# Altium PCB HV_Module_6W.PCBDOC (part 1 of 4)
Units mil, origin at the board's own origin, x right, y up, seen from the top; angles counter-clockwise.
Board outline 5826.77 x 3385.83 mil, 4 copper layers (Top, L2, L3, Bot), stack 62.992 mil thick; 457 components, 280 nets, 1264 pads, 435 vias.
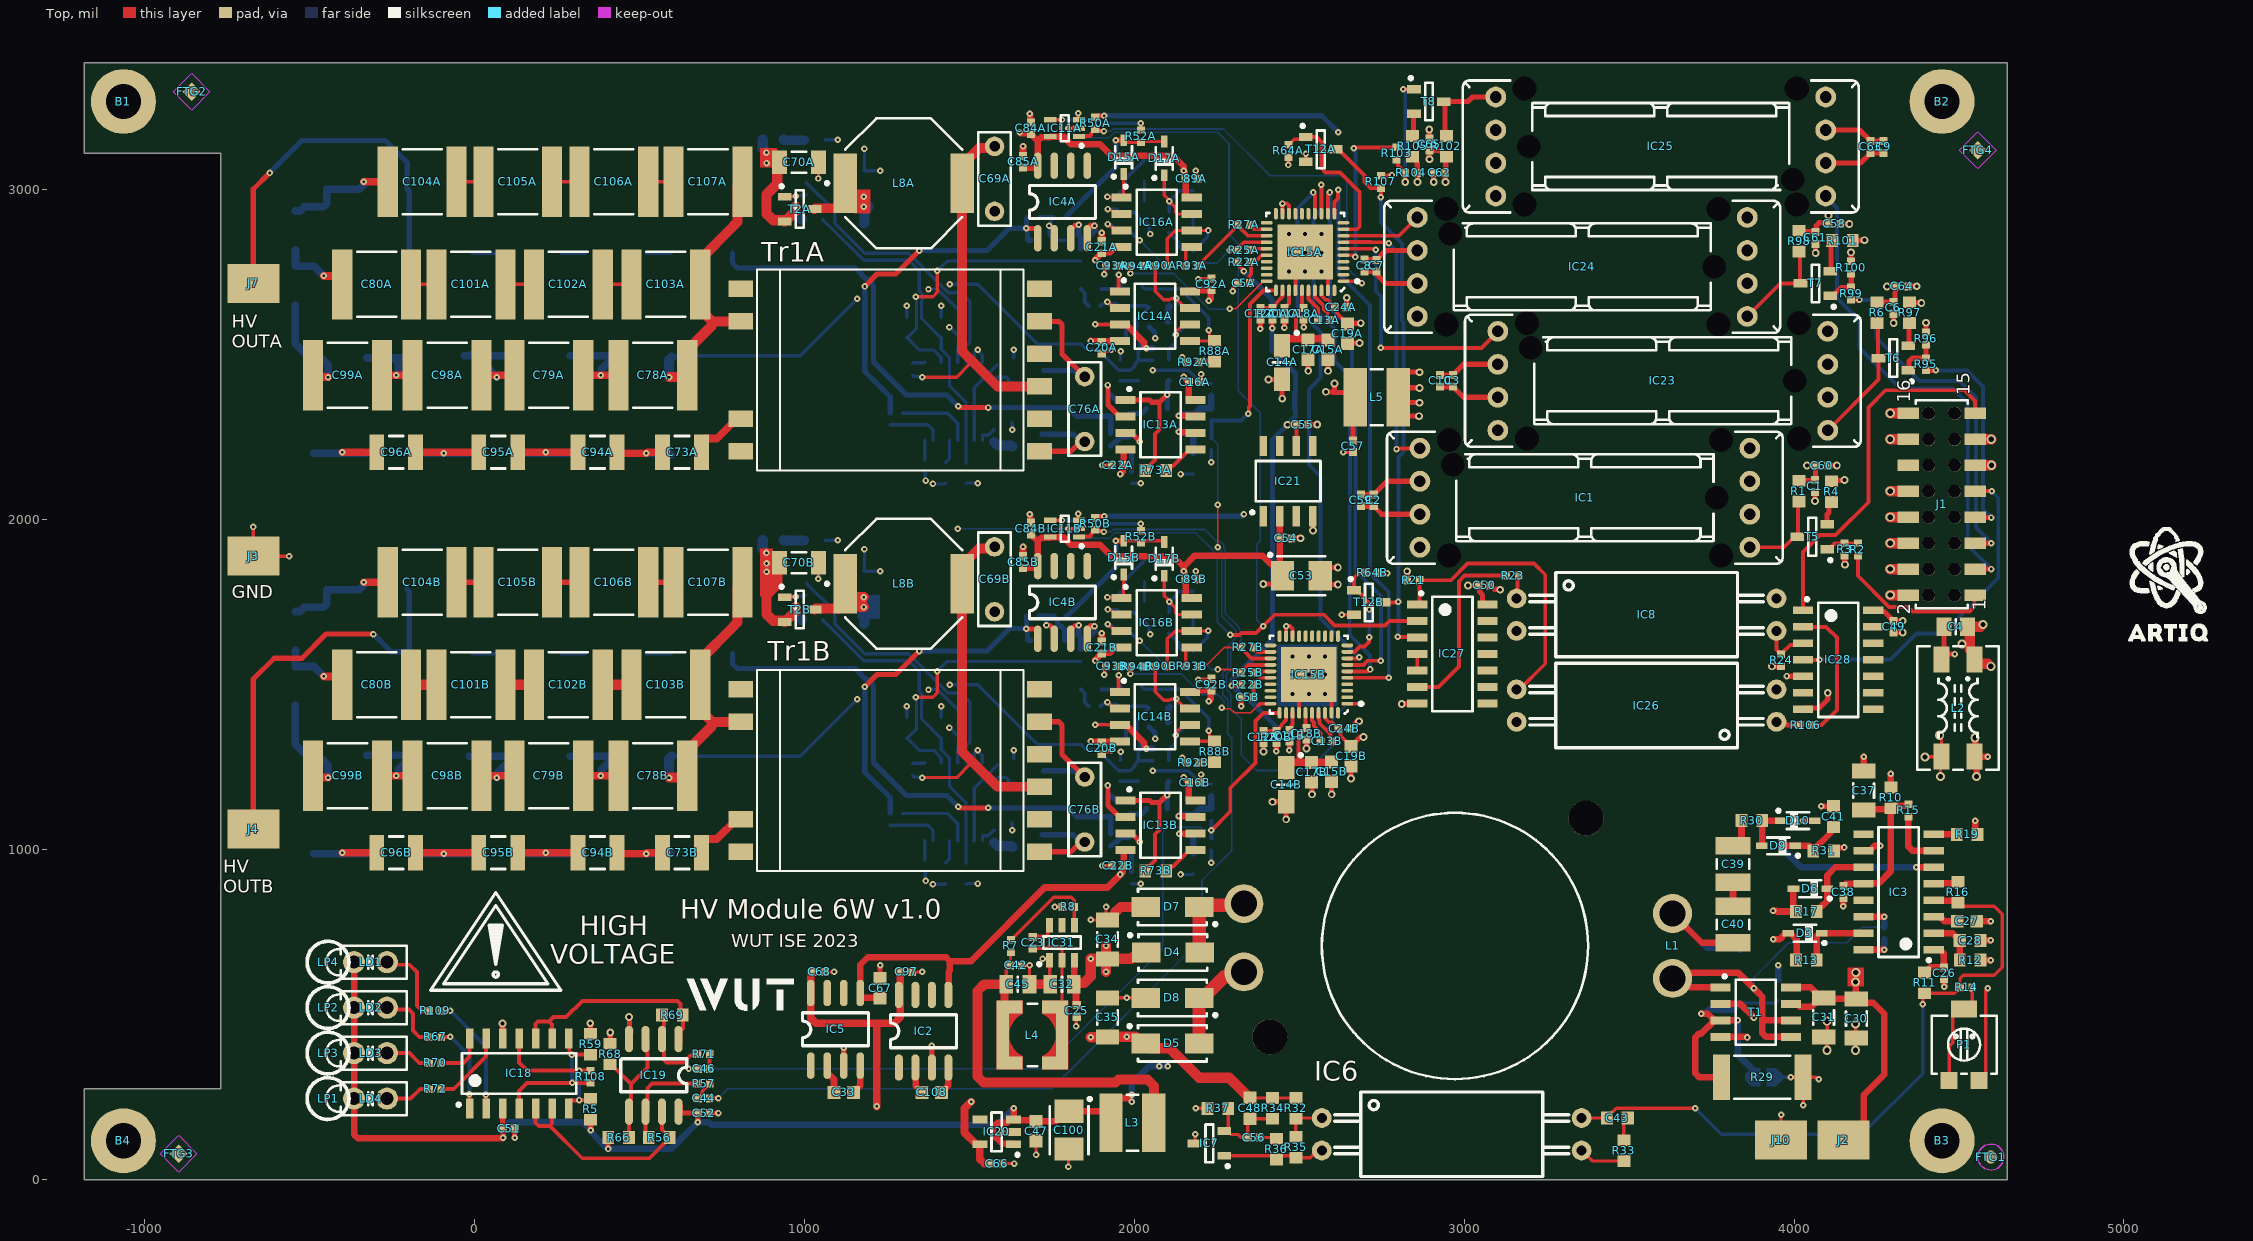
[diagram p0: Top view]
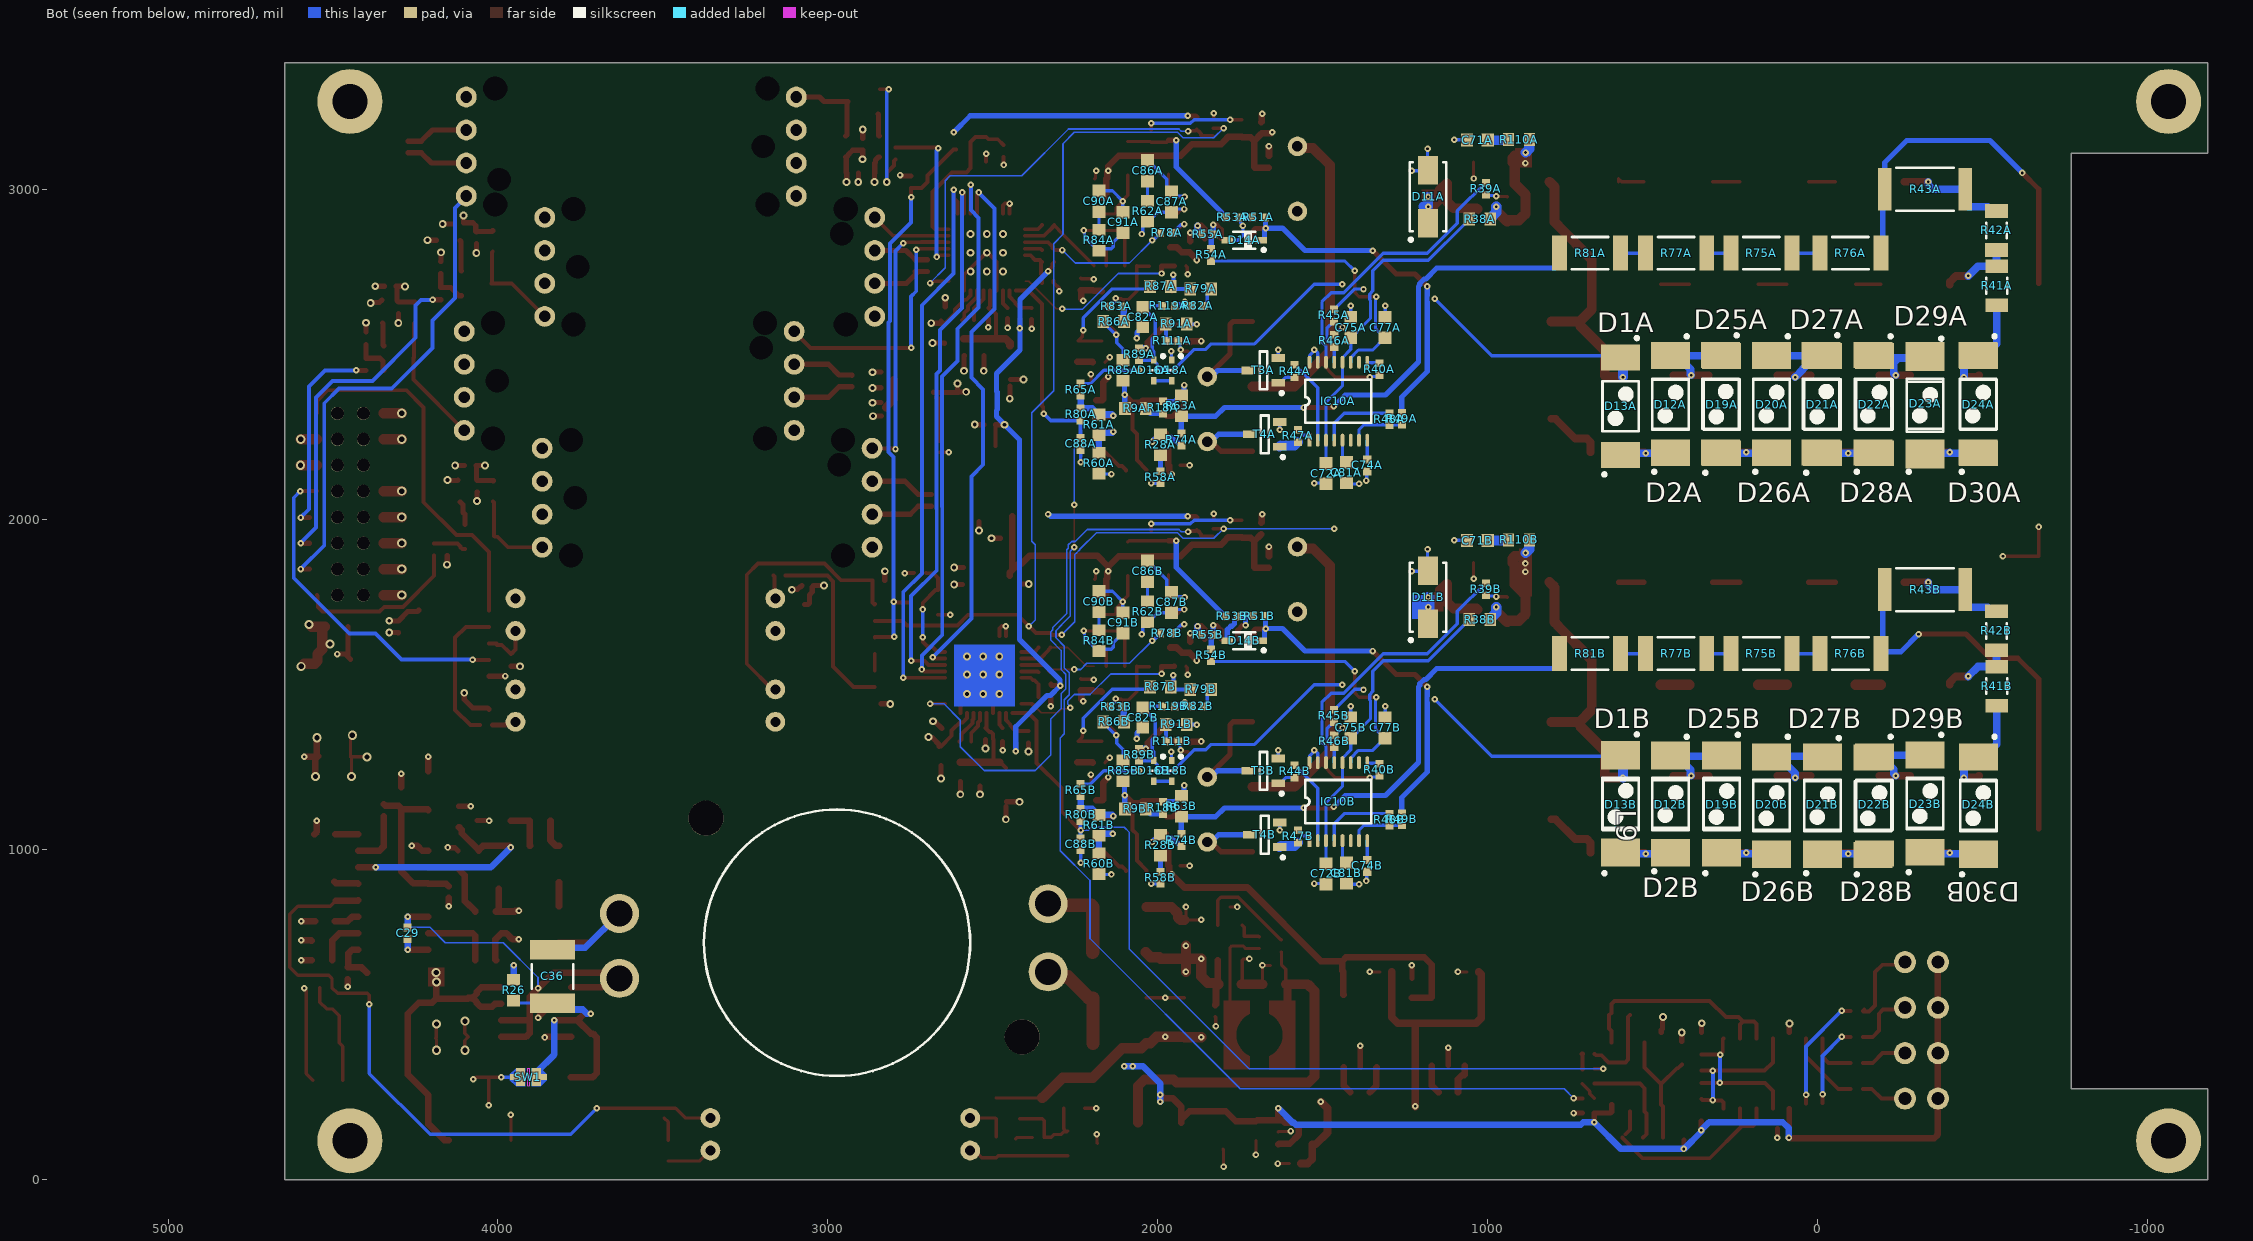
[diagram p1: Bot view, seen from below]
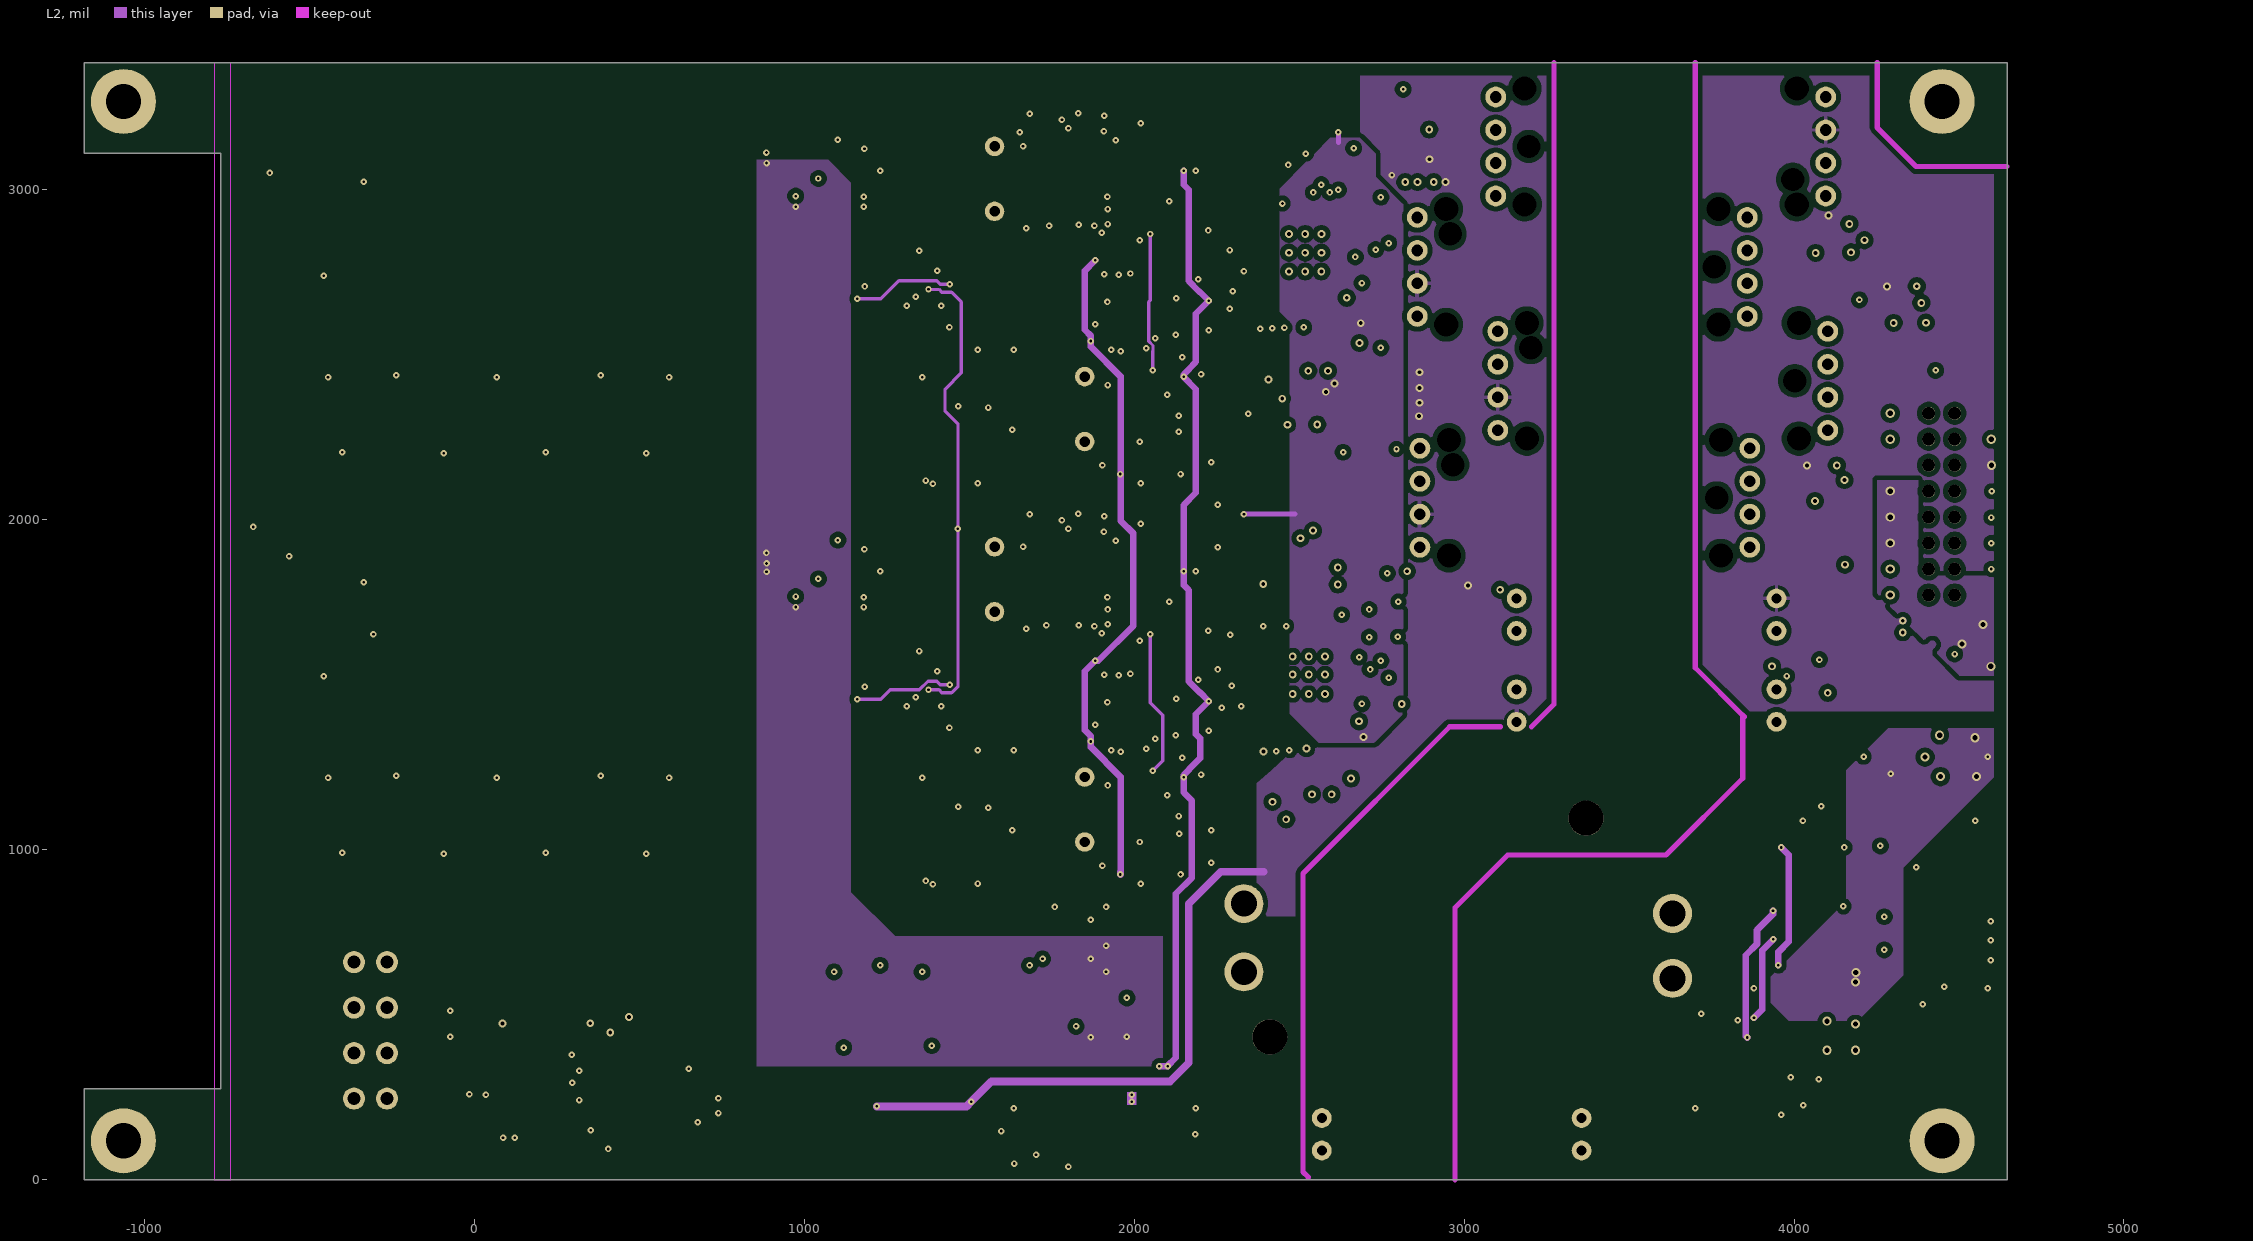
[diagram p2: L2]
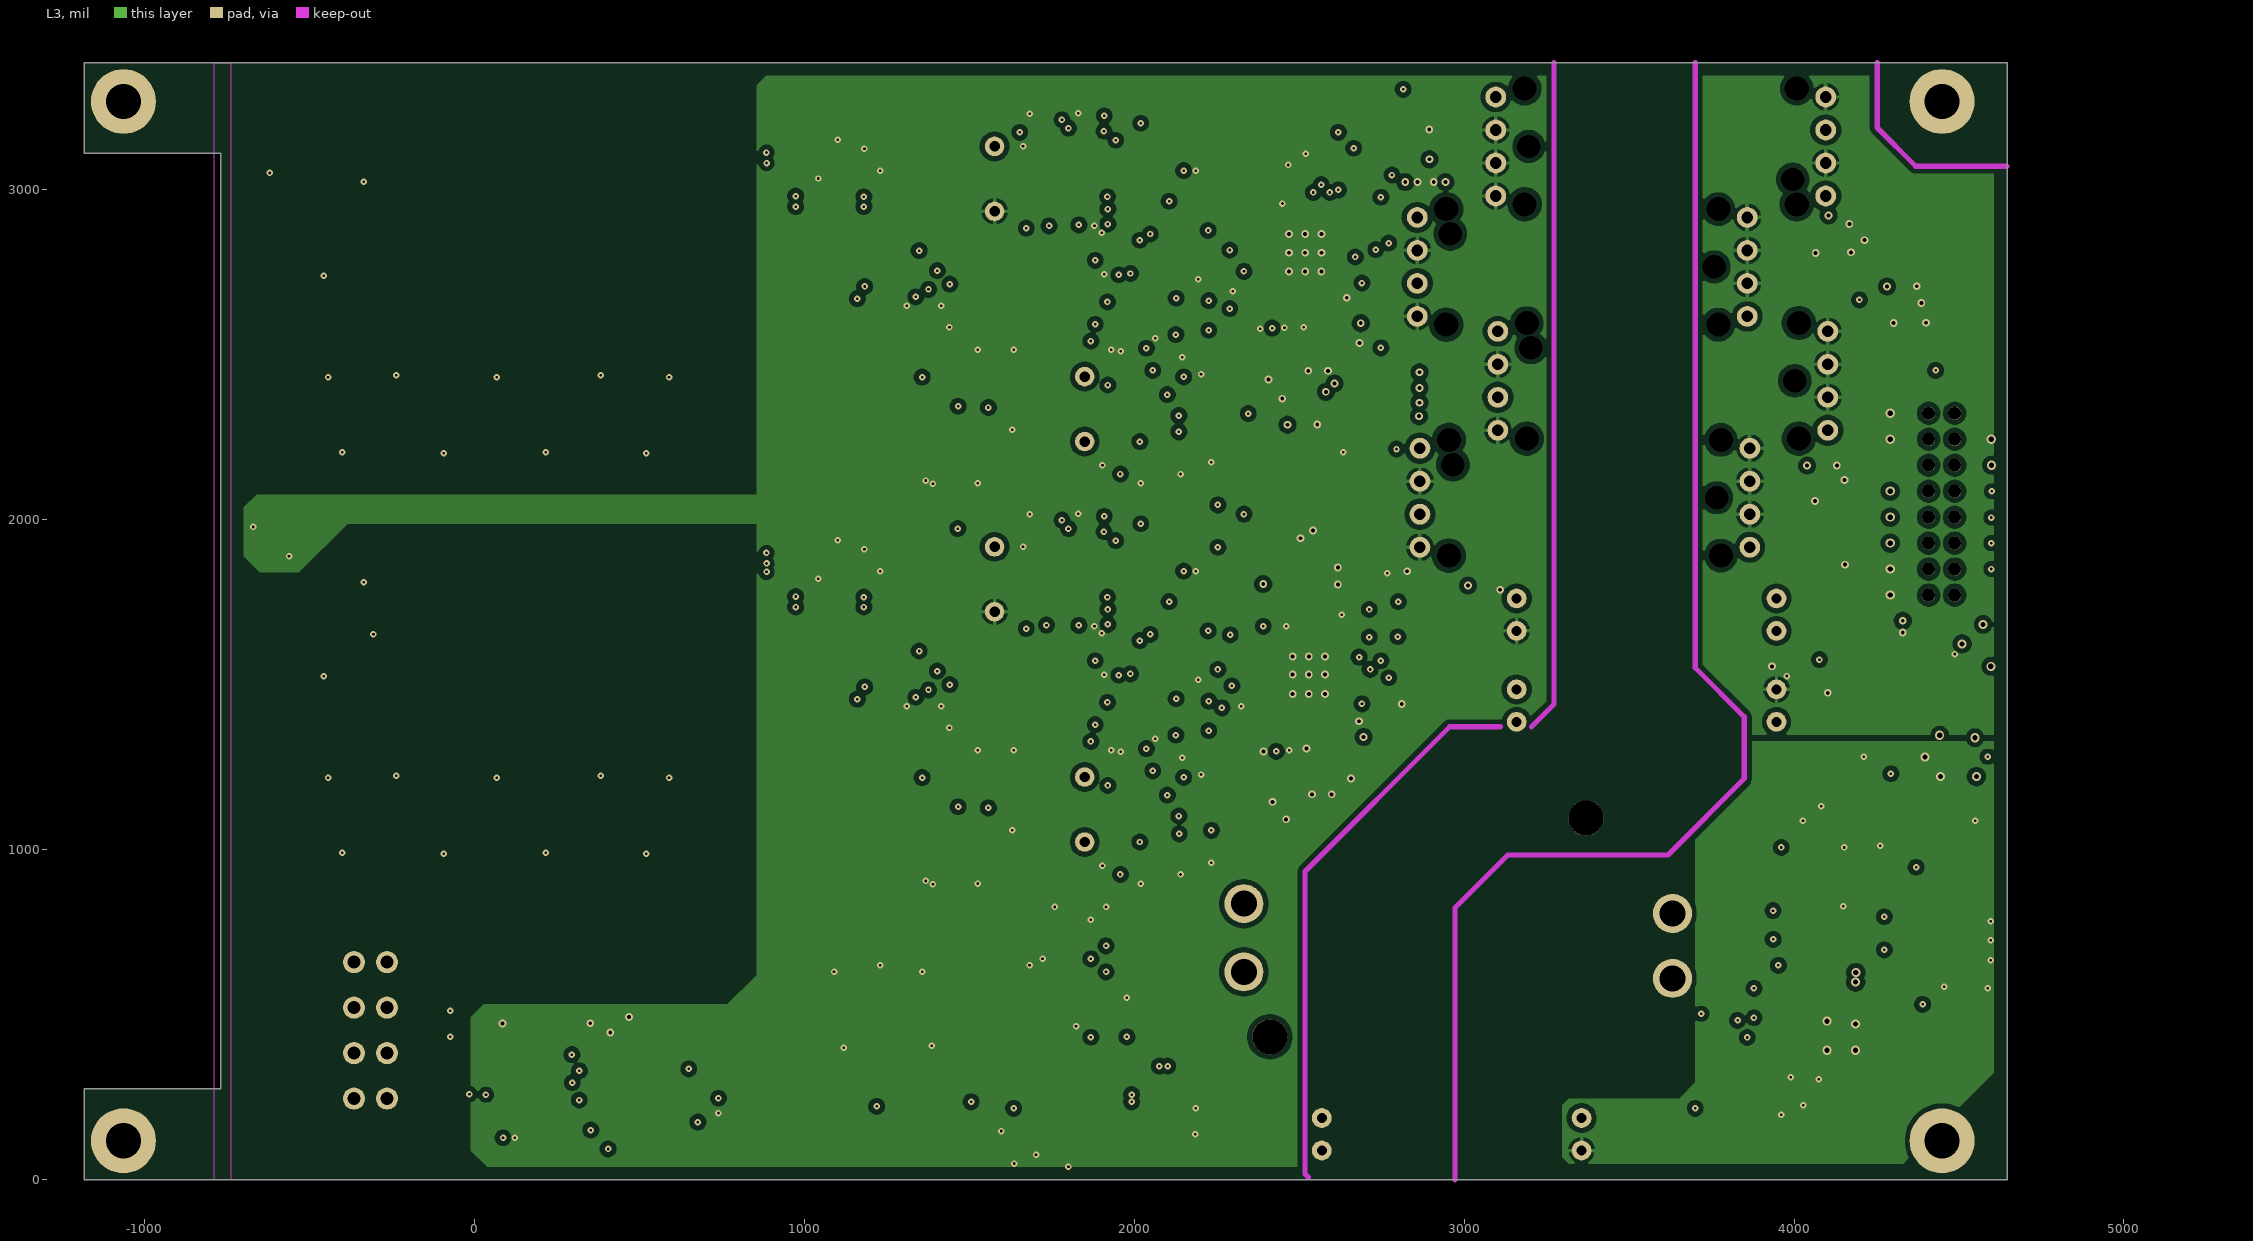
[diagram p3: L3]
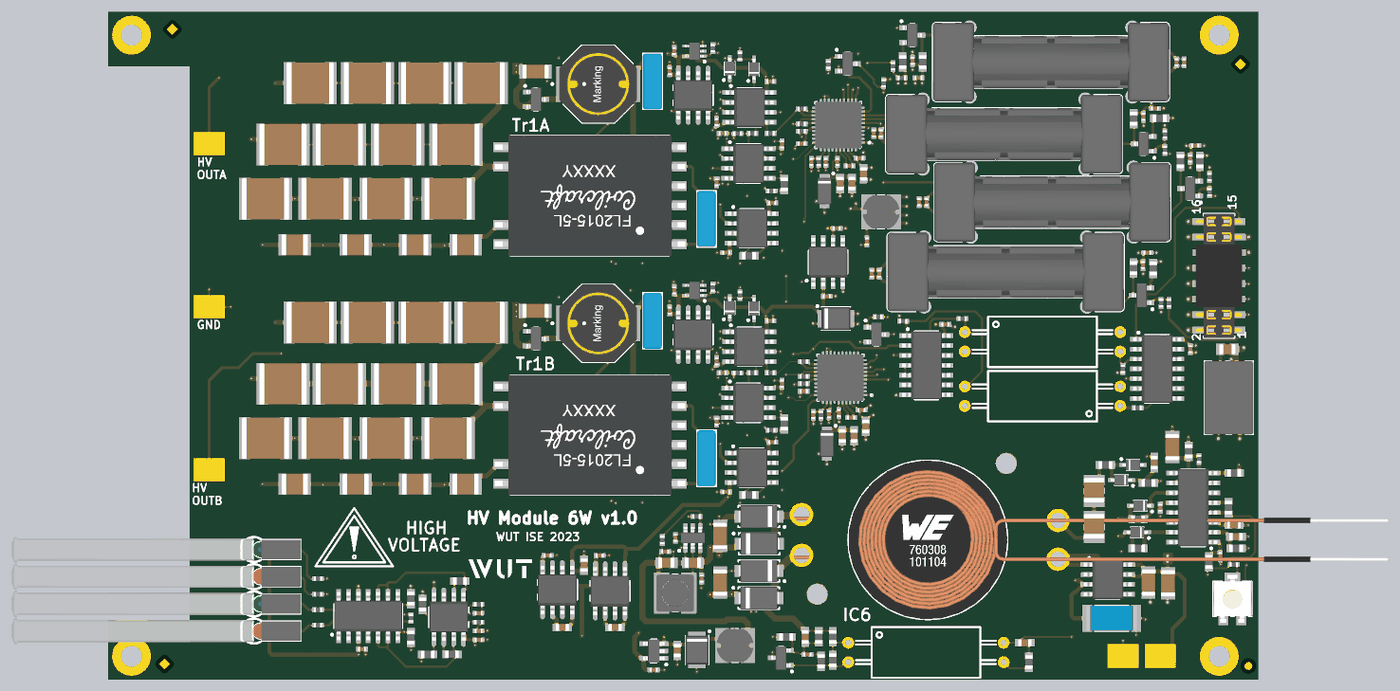
[diagram p7: 3D render of the assembled board from above, using the file's embedded part models]
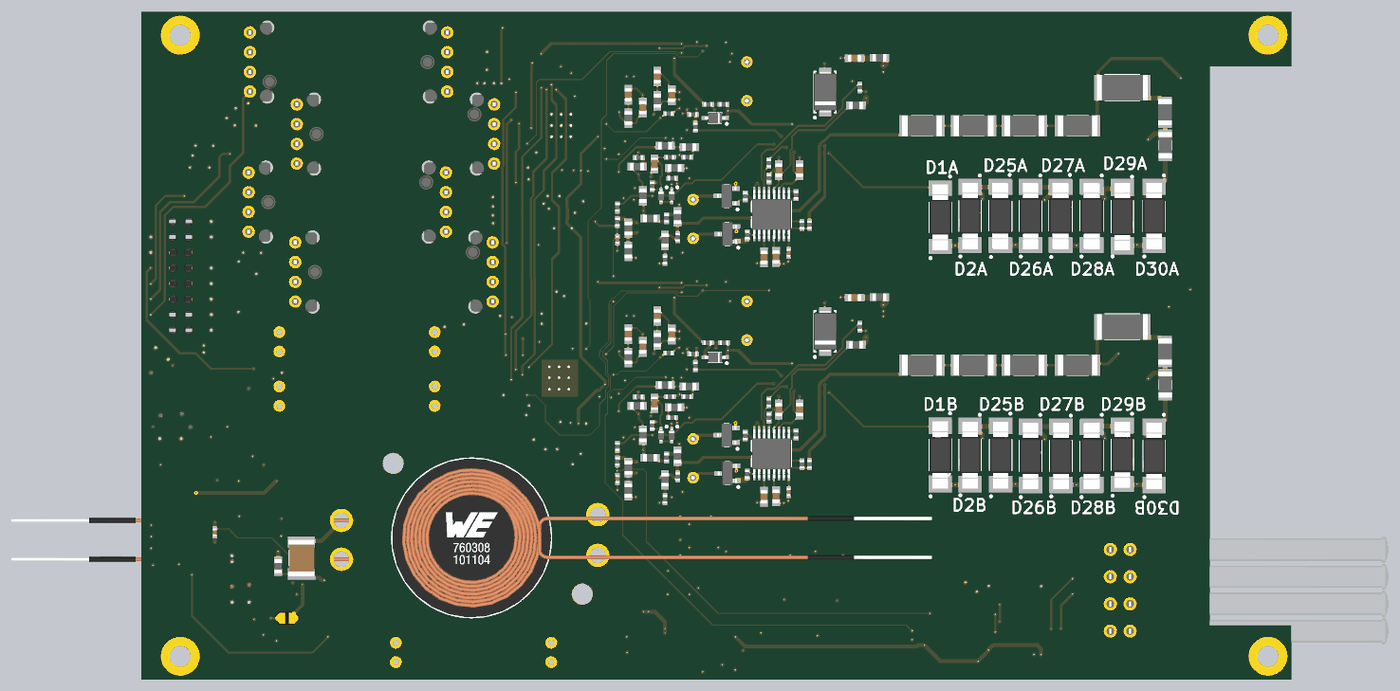
[diagram p8: 3D render of the assembled board from below, using the file's embedded part models]

## Layer stack, top to bottom
TopSolder: solder mask 0.4, Solder Resist, Dk 3.5
Top: signal copper 1.378
Dielectric1: core 7.0866, FR-4, Dk 4.2
L2: signal copper 1.378
Dielectric 3: prepreg 43.3071, FR-4, Dk 4.2
L3: signal copper 1.378
Dielectric2: core 7.0866, FR-4, Dk 4.2
Bot: signal copper 1.378
BottomSolder: solder mask 0.4, Solder Resist, Dk 3.5

## Board outline
-1181.1,0 -1181.1,275.59 -767.72,275.59 -767.72,3110.24 -1181.1,3110.24 -1181.1,3385.83 4645.67,3385.83 4645.67,0 4566.93,0

## Design rules (kind name [scope] priority, off if disabled: settings)
AcuteAngle [All] p1: minimum=6.00000000000000E+0001 checktracksonly=FALSE
BoardOutlineClearance [not (OnLayer('TopOverlay')  or  OnLayer('BottomOverlay') )] p1: gap=10 ignorepadtopadclearanceinfootprint=FALSE except(0: Arc-SplitContinuation Track-SplitContinuation SMDPad-SplitContinuation THPad-SplitContinuation Via-SplitContinuation Fill-SplitContinuation Poly-SplitContinuation Region-SplitContinuation Text-SplitContinuation; 39.37: Poly-OutlineEdge Poly-CutoutEdge)
Clearance Clearance_HV [InNetClass('HV') vs not InNetClass('HV')] p1: gap=39.37 ignorepadtopadclearanceinfootprint=FALSE
Clearance Clearance_balancing [InNamedPolygon('balancing')            or InNamedPolygon('balancing_top')] p2: gap=11.81 ignorepadtopadclearanceinfootprint=FALSE
Clearance Clearance_DIFF [(InDifferentialPairClass('All Differential Pairs'))] p3: gap=5 ignorepadtopadclearanceinfootprint=FALSE except(0: Arc-Hole Track-Hole SMDPad-Hole THPad-Hole Via-Hole Fill-Hole Poly-Hole Region-Hole Text-Hole; 10: Arc-Poly Track-Poly SMDPad-Poly THPad-Poly Via-Poly Fill-Poly Poly-Poly Poly-Region Poly-Text)
Clearance [All] p4: gap=5 ignorepadtopadclearanceinfootprint=FALSE except(0: Arc-Hole Track-Hole SMDPad-Hole THPad-Hole Via-Hole Fill-Hole Poly-Hole Region-Hole Text-Hole; 15: Arc-Poly Track-Poly SMDPad-Poly THPad-Poly Via-Poly Fill-Poly Poly-Poly)
ComponentClearance [All] p1 off: gap=10 collisioncheckmode=3 verticalgap=10 showdistances=FALSE
DiffPairsRouting [All] p1: maxlimit=7 minlimit=6 mostfreqgap=6 toplayer_minwidth=5 toplayer_maxwidth=6 toplayer_prefwidth=6 midlayer1_minwidth=5 midlayer1_maxwidth=6 midlayer1_prefwidth=6 midlayer2_minwidth=5 midlayer2_maxwidth=6 midlayer2_prefwidth=6 bottomlayer_minwidth=5 bottomlayer_maxwidth=6 bottomlayer_prefwidth=6 maxuncoupledlength=500
FabricationTestPointUsage TestPointUsage [All] p1: valid=0 allowmultiple=FALSE
FabricationTestpoint Testpoint [All] p1: side=3 testpointundercomponent=TRUE minsize=40 maxsize=100 preferedsize=60 minholesize=20 maxholesize=40 preferedholesize=32 testpointgrid=1 allowsidetop=TRUE allowsidebottom=TRUE usegrid=TRUE gridtolerance=0.01
Height [All] p1 off: minheight=0 maxheight=1000 prefheight=500
HoleSize [All] p1: absolutevalues=TRUE maxlimit=150 minlimit=1 maxpercent=80.000 minpercent=20.000
HoleToHoleClearance [All] p1: gap=1 allowstackedmicrovias=TRUE
MinimumSolderMaskSliver [All] p1: minsoldermaskwidth=0
PlaneClearance PlaneClearance_HV [InNetClass('HV')] p1: clearance=39.37
PlaneClearance [All] p2: clearance=10
PlaneConnect [All] p1: planeconnectstyle=Direct reliefexpansion=20 reliefentries=4 reliefconductorwidth=10 reliefairgap=10
PolygonConnect [All] p1: thpad.connectstyle=Relief thpad.reliefconductorwidth=11.81 thpad.reliefentries=4 thpad.polygonreliefangle="90 Angle" thpad.airgapwidth=10 smdpad.connectstyle=Relief smdpad.reliefconductorwidth=11.81 smdpad.reliefentries=4 smdpad.polygonreliefangle="90 Angle" smdpad.airgapwidth=10 via.connectstyle=Direct via.reliefconductorwidth=10 via.reliefentries=4 via.polygonreliefangle="45 Angle" via.airgapwidth=10
RoomDefinition U_HV_PWR_STAGE2 [InComponentClass('U_HV_PWR_STAGE2')] p1: confinementstyle=ConfineIn formatcopy=TRUE lockcomponents=FALSE outline 2273.62,2047.24 -590.55,2047.24 -590.55,863.19 2273.62,863.19
RoomDefinition U_HV_PWR_STAGE1 [InComponentClass('U_HV_PWR_STAGE1')] p2: confinementstyle=ConfineIn formatcopy=TRUE lockcomponents=FALSE outline 2273.62,3260.83 -590.55,3260.83 -590.55,2076.77 2273.62,2076.77
RoomDefinition U_ADC_DAC2 [InComponentClass('U_ADC_DAC2')] p3: confinementstyle=ConfineIn formatcopy=TRUE lockcomponents=FALSE outline 2844.49,1069.88 2266.73,1069.88 2266.73,1902.56 2844.49,1902.56
RoomDefinition U_Supply_12V_ISOL [InComponentClass('U_Supply_12V_ISOL')] p4: confinementstyle=ConfineIn formatcopy=TRUE lockcomponents=FALSE outline 638.78,-5696.85 2638.78,-5696.85 2638.78,-4696.85 638.78,-4696.85
RoomDefinition U_LED_indicators [InComponentClass('U_LED_indicators')] p5: confinementstyle=ConfineIn formatcopy=TRUE lockcomponents=FALSE outline 778.54,813.98 -787.4,813.98 -787.4,54.13 778.54,54.13
RoomDefinition U_Isolators [InComponentClass('U_Isolators')] p6: confinementstyle=ConfineIn formatcopy=TRUE lockcomponents=FALSE outline 2739.67,1165.74 4649.61,1165.74 4649.61,3387.8 2739.67,3387.8
RoomDefinition U_ADC_DAC1 [InComponentClass('U_ADC_DAC1')] p7: confinementstyle=ConfineIn formatcopy=TRUE lockcomponents=FALSE outline 2276.57,2351.2 3228.35,2351.2 3228.35,3375 2276.57,3375
RoomDefinition HV_Module_6W [InComponentClass('HV_Module_6W')] p8: confinementstyle=ConfineIn formatcopy=TRUE lockcomponents=FALSE outline 3324.8,-775.59 4458.66,-775.59 4458.66,-108.27 3324.8,-108.27
RoutingVias [All] p1: holewidth=7.87 width=19.68 viastyle="Through Hole" minholewidth=7.87 minwidth=19.68 maxholewidth=28 maxwidth=50
SilkToSilkClearance [All] p1: silktosilkclearance=0
SilkToSolderMaskClearance SilkscreenOverComponentPads [IsPad] p1: minsilkscreentomaskgap=0 clearancetoexposedcopper=TRUE
SolderMaskExpansion [All] p1: expansion=2 istentingtop=FALSE
Width Z50R [InNetClass('SPI')] p1: maxlimit=11.81 minlimit=11.81 preferedwidth=11.81
Width [All] p2: maxlimit=50 minlimit=5 preferedwidth=5
18 further rules are at their usual default settings.

## Classes and differential pairs
channel class HV_PWR_STAGE_6W: U_HV_PWR_STAGE1 U_HV_PWR_STAGE2
channel class ADC_DAC_6W: U_ADC_DAC1 U_ADC_DAC2
component class U_LED_indicators: C44 C46 C51 C52 IC18 IC19 LD1 LD2 LD3 LD4 LP1 LP2 LP3 LP4 R5 R56 R57 R59 R66 R67 R68 R69 R70 R71 R72 R108 R109
component class U_HV_PWR_STAGE1: C16A C20A C21A C22A C69A C70A C71A C72A C73A C74A C75A C76A C77A C78A C79A C80A C81A C82A C84A C85A C86A C87A C88A C89A C90A C91A C92A C93A C94A C95A C96A C98A C99A C101A C102A C103A C104A C105A C106A C107A D2A D11A D12A D13A D14A D15A D16A D17A D18A D19A D20A D21A D22A D23A D24A D25A D26A D27A D28A D29A D30A IC4A IC10A IC11A IC13A IC14A IC16A L8A R9A R18A R28A R38A R39A R40A R41A R42A R43A R44A R45A R46A R47A R48A R49A R50A R51A R52A R53A R54A R55A R58A R60A R61A R62A R63A R65A R73A R74A R75A R76A R77A R78A R79A R80A R81A R82A R83A R84A R85A R86A R87A R88A R89A R90A R91A R92A R93A R94A R110A R111A R119A T2A T3A T4A Tr1A
component class U_ADC_DAC2: C5B C11B C12B C13B C14B C15B C17B C18B C19B C24B IC15B R20B R22B R25B R27B R64B T12B
component class U_ADC_DAC1: C5A C11A C12A C13A C14A C15A C17A C18A C19A C24A IC15A R20A R22A R25A R27A R64A T12A
component class U_Supply_12V_ISOL: C4 C23 C25 C26 C27 C28 C29 C30 C31 C32 C33 C34 C35 C36 C37 C38 C39 C40 C41 C42 C43 C45 C47 C48 C56 C57 C66 C67 C68 C97 C100 C108 D3 D4 D5 D6 D7 D8 D9 D10 IC2 IC3 IC5 IC6 IC7 IC20 IC31 J2 J10 L1 L2 L3 L4 L5 L9 P1 R7 R8 R10 R11 R12 R13 R14 R15 R16 R17 R19 R26 R29 R30 R31 R32 R33 R34 R35 R36 R37 SW1 T1
component class U_Isolators: C1 C2 C3 C6 C7 C8 C9 C10 C49 C50 C58 C59 C60 C61 C62 C63 C64 C65 IC1 IC8 IC23 IC24 IC25 IC26 IC27 IC28 R1 R2 R3 R4 R6 R21 R23 R24 R95 R96 R97 R98 R99 R100 R101 R102 R103 R104 R105 R106 R107 T5 T6 T7 T8
component class U_HV_PWR_STAGE2: C16B C20B C21B C22B C69B C70B C71B C72B C73B C74B C75B C76B C77B C78B C79B C80B C81B C82B C84B C85B C86B C87B C88B C89B C90B C91B C92B C93B C94B C95B C96B C98B C99B C101B C102B C103B C104B C105B C106B C107B D1B D2B D11B D12B D13B D14B D15B D16B D17B D18B D19B D20B D21B D22B D23B D24B D25B D26B D27B D28B D29B D30B IC4B IC10B IC11B IC13B IC14B IC16B L8B R9B R18B R28B R38B R39B R40B R41B R42B R43B R44B R45B R46B R47B R48B R49B R50B R51B R52B R53B R54B R55B R58B R60B R61B R62B R63B R65B R73B R74B R75B R76B R77B R78B R79B R80B R81B R82B R83B R84B R85B R86B R87B R88B R89B R90B R91B R92B R93B R94B R110B R111B R119B T2B T3B T4B Tr1B
component class HV_Module_6W: B1 B2 B3 B4 C53 C54 C55 FTG1 FTG2 FTG3 FTG4 IC21 J1 J3 J4 J7
